# Allegro board RK3588S_Template_LP5D315P232SD10H2_42x42_2750MHz_1R2_V10_20220413YWQ.brd
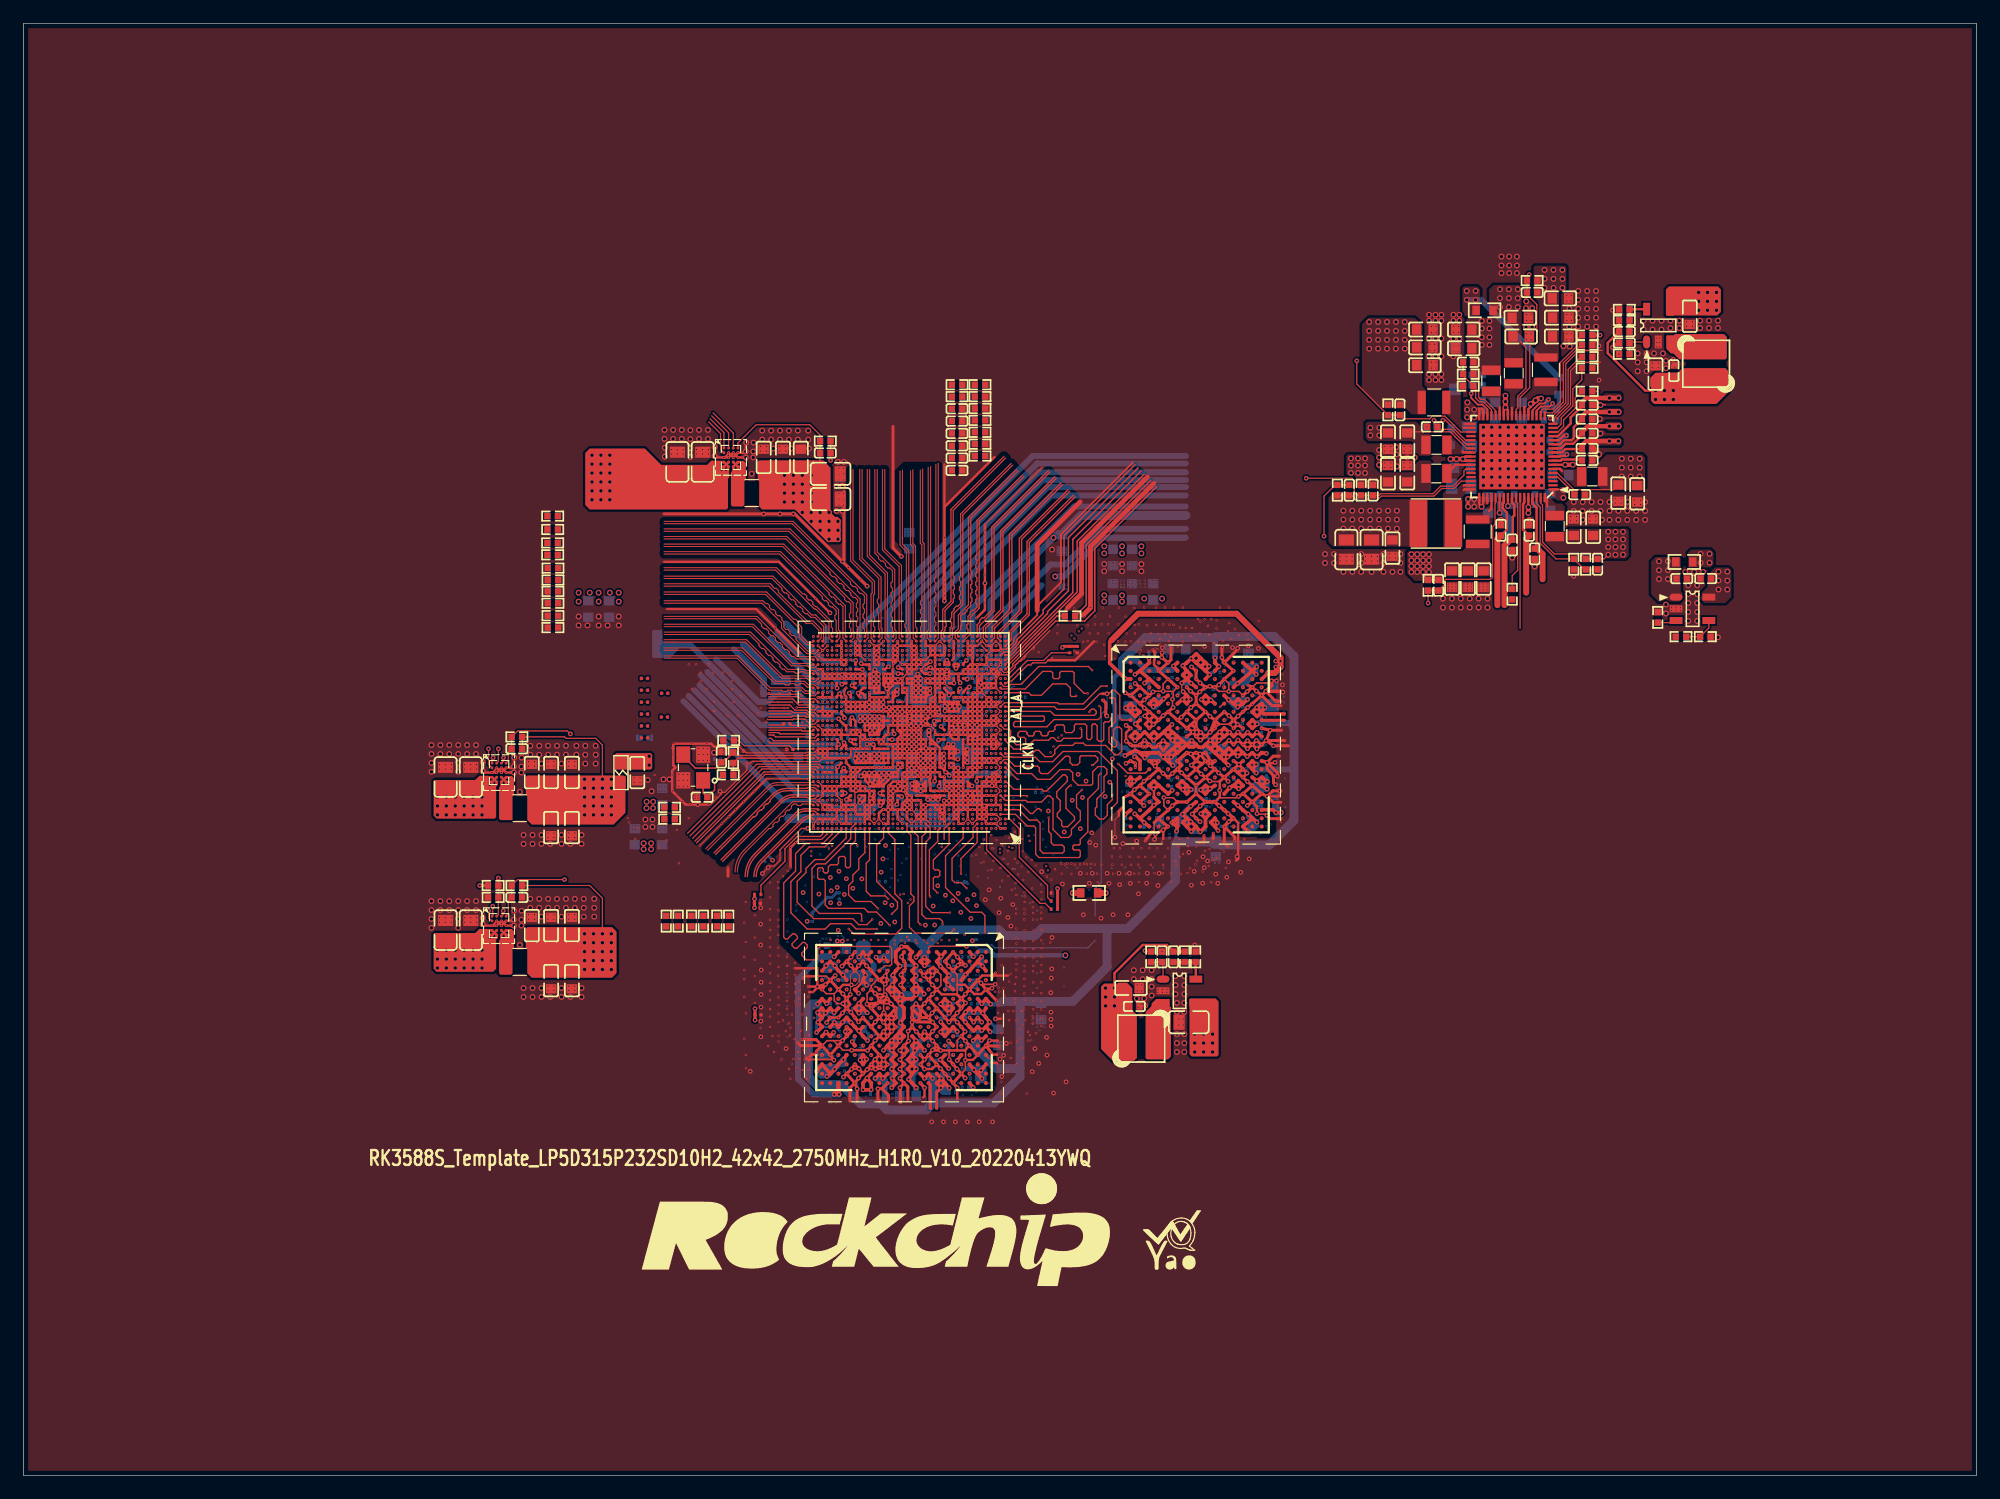
[diagram p0: board, top side]
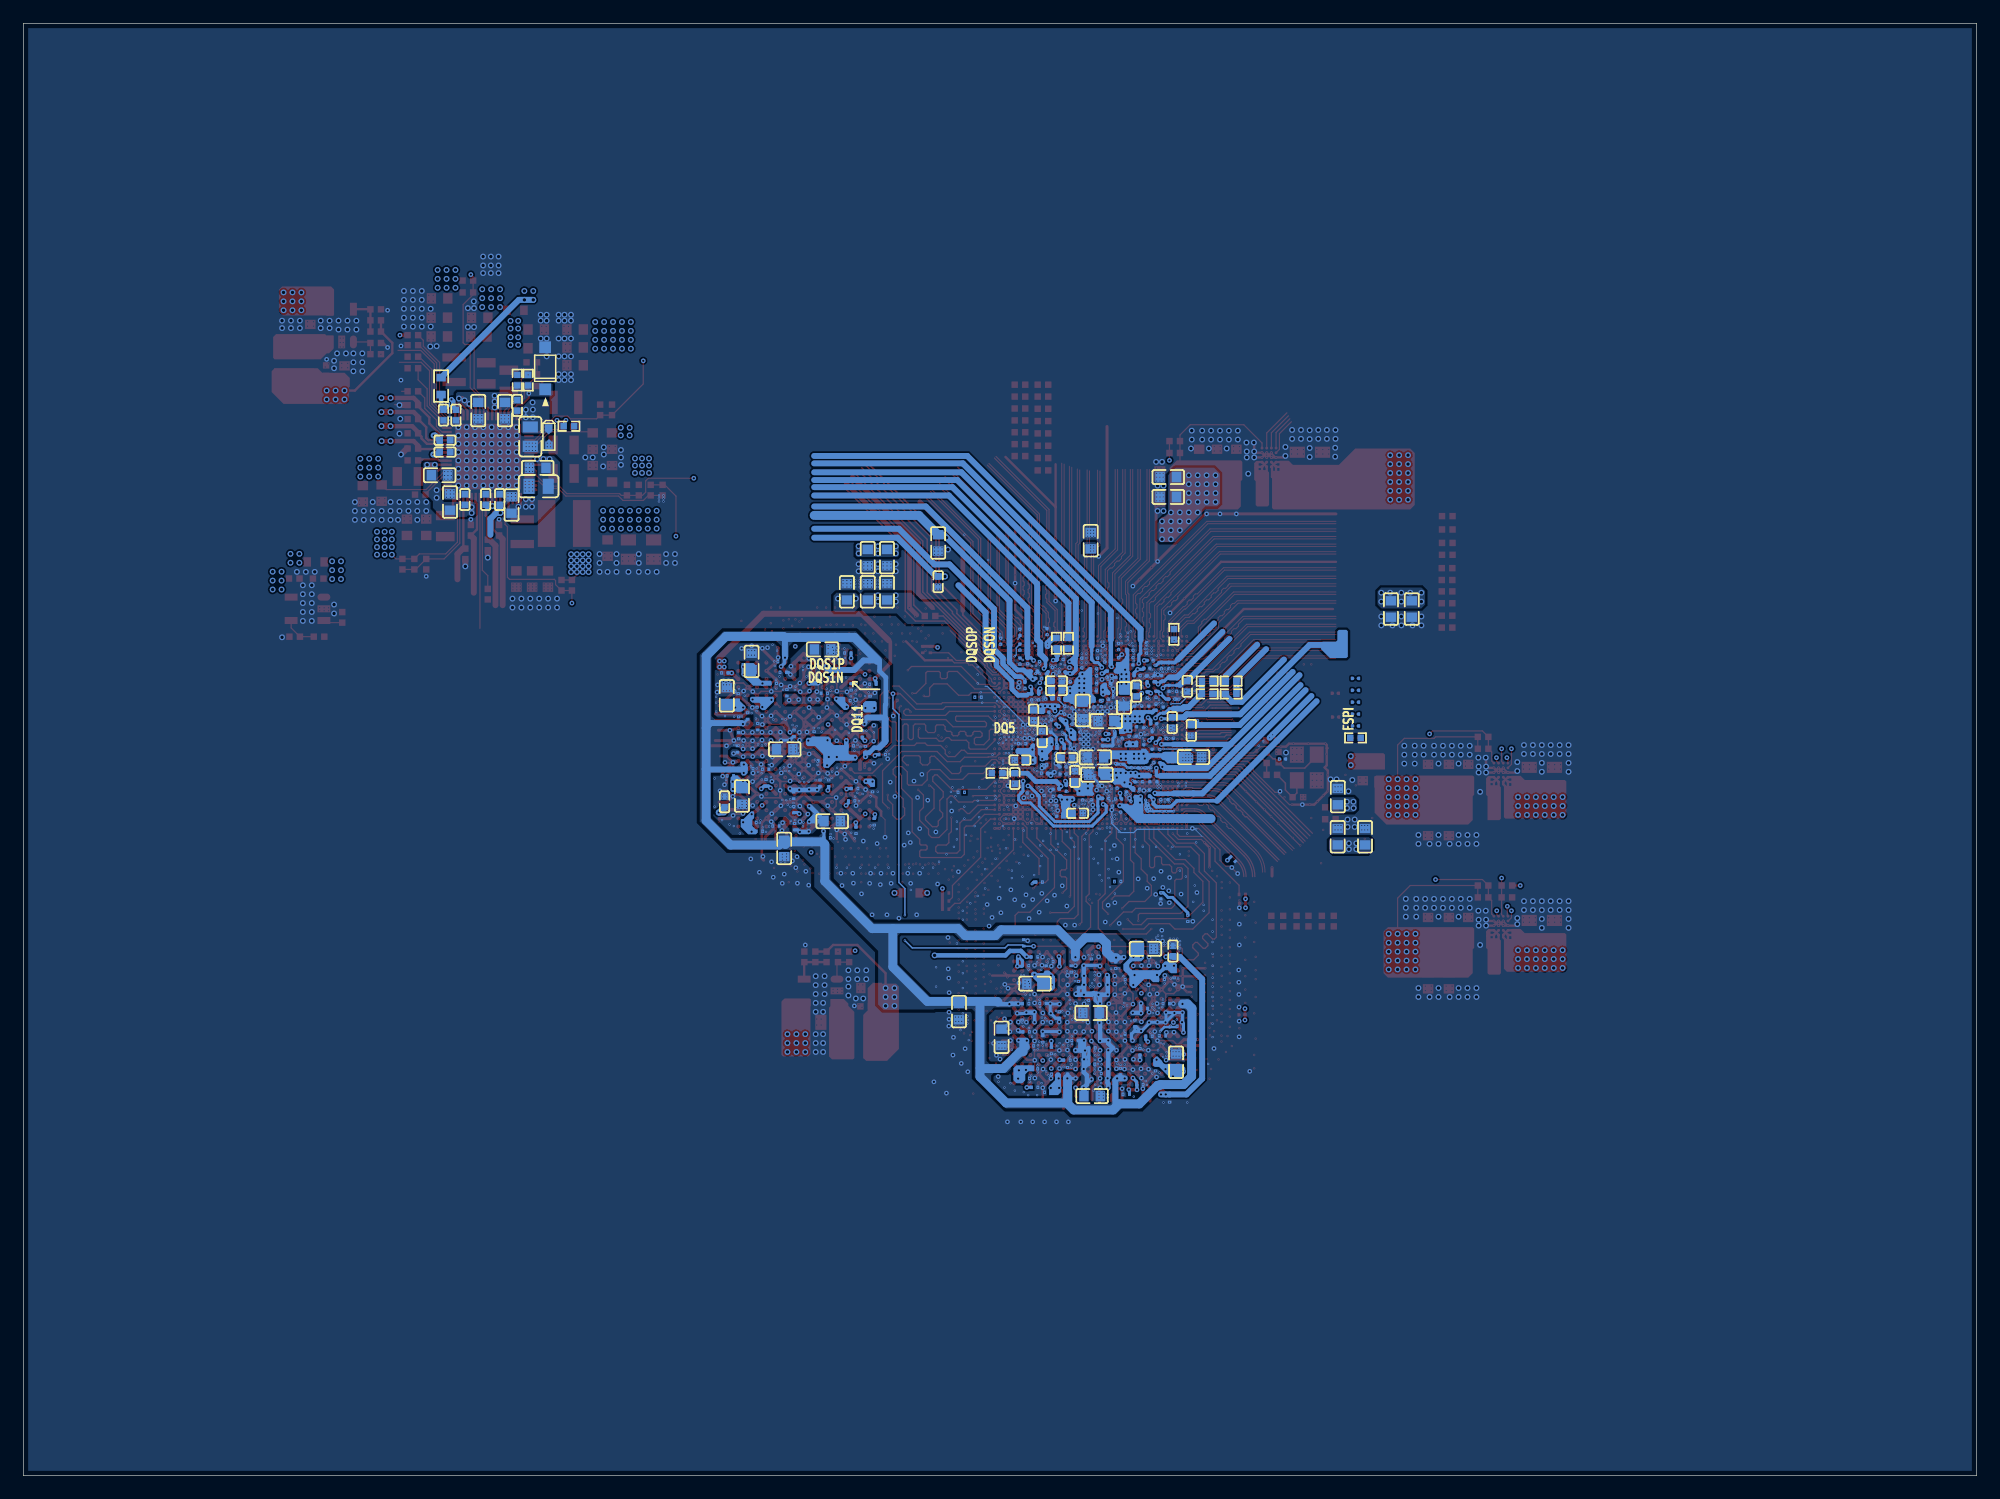
[diagram p1: board, bottom side, seen from below]

Outline 166.88 x 124.08 mm; copper layers: TOP, L2-GND1, L3-S1, L4-POWER1, L5-POWER2, L6-S2, L7-GND2, L8-S3, L9-GND3, BOTTOM. Coordinates in mm from the lower left corner of the outline.
Outline path: 0,124.08 0,0 166.88,0 166.88,124.08 0,124.08

## Design rules (mm)
net group DDR0_CLK: nets DDR_CH0_CLKN_A DDR_CH0_CLKP_A
net group DDR0_DQS0: nets DDR_CH0_DQS0N_A DDR_CH0_DQS0P_A
net group DDR0_DQS1: nets DDR_CH0_DQS0N_B DDR_CH0_DQS0P_B
net group DDR1_CLK: nets DDR_CH0_CLKN_B DDR_CH0_CLKP_B
net group DDR1_DQS0: nets DDR_CH0_DQS1N_A DDR_CH0_DQS1P_A
net group DDR1_DQS1: nets DDR_CH0_DQS1N_B DDR_CH0_DQS1P_B
net group DDR_CH0_WCK0_A: nets DDR_CH0_WCK0N_A DDR_CH0_WCK0P_A
net group DDR_CH0_WCK0_B: nets DDR_CH0_WCK0N_B DDR_CH0_WCK0P_B
net group DDR_CH0_WCK1_A: nets DDR_CH0_WCK1N_A DDR_CH0_WCK1P_A
net group DDR_CH0_WCK1_B: nets DDR_CH0_WCK1N_B DDR_CH0_WCK1P_B
net group DDR_CH1_CLK_C: nets DDR_CH1_CLKN_C DDR_CH1_CLKP_C
net group DDR_CH1_CLK_D: nets DDR_CH1_CLKN_D DDR_CH1_CLKP_D
net group DDR_CH1_DQ0_C: nets DDR_CH1_DQS0N_C DDR_CH1_DQS0P_C
net group DDR_CH1_DQ0_D: nets DDR_CH1_DQS0N_D DDR_CH1_DQS0P_D
net group DDR_CH1_DQ1_C: nets DDR_CH1_DQS1N_C DDR_CH1_DQS1P_C
net group DDR_CH1_DQ1_D: nets DDR_CH1_DQS1N_D DDR_CH1_DQS1P_D
net group DDR_CH1_WCK0_C: nets DDR_CH1_WCK0N_C DDR_CH1_WCK0P_C
net group DDR_CH1_WCK0_D: nets DDR_CH1_WCK0N_D DDR_CH1_WCK0P_D
net group DDR_CH1_WCK1_C: nets DDR_CH1_WCK1N_C DDR_CH1_WCK1P_C
net group DDR_CH1_WCK1_D: nets DDR_CH1_WCK1N_D DDR_CH1_WCK1P_D
net group DP_RX0_D0: nets MIPI_CSI0_RX_D0N MIPI_CSI0_RX_D0P
net group DPHY0_RX_CLK: nets MIPI_CPHY0_RX_TRIO1_B MIPI_CPHY0_RX_TRIO1_C
net group DPHY0_RX_D0: nets MIPI_CPHY0_RX_TRIO0_A MIPI_CPHY0_RX_TRIO0_B
net group DPHY0_RX_D1: nets MIPI_CPHY0_RX_TRIO0_C MIPI_CPHY0_RX_TRIO1_A
net group DPHY0_RX_D2: nets MIPI_CPHY0_RX_TRIO2_A MIPI_CPHY0_RX_TRIO2_B
net group DPHY0_RX_D3: nets MIPI_CPHY0_RX_TRIO2_C MIPI_DPHY0_RX_D3P
net group DPHY0_TX_CLK: nets MIPI_CPHY0_TX_TRIO1_B MIPI_CPHY0_TX_TRIO1_C
net group DPHY0_TX_D0: nets MIPI_CPHY0_TX_TRIO0_A MIPI_CPHY0_TX_TRIO0_B
net group DPHY0_TX_D1: nets MIPI_CPHY0_TX_TRIO0_C MIPI_CPHY0_TX_TRIO1_A
net group DPHY0_TX_D2: nets MIPI_CPHY0_TX_TRIO2_A MIPI_CPHY0_TX_TRIO2_B
net group DPHY0_TX_D3: nets MIPI_CPHY0_TX_TRIO2_C MIPI_DPHY0_TX_D3P
net group DPHY1_RX_CLK: nets MIPI_CPHY1_RX_TRIO1_B MIPI_CPHY1_RX_TRIO1_C
net group DPHY1_RX_D0: nets MIPI_CPHY1_RX_TRIO0_A MIPI_CPHY1_RX_TRIO0_B
net group DPHY1_RX_D1: nets MIPI_CPHY1_RX_TRIO0_C MIPI_CPHY1_RX_TRIO1_A
net group DPHY1_RX_D2: nets MIPI_CPHY1_RX_TRIO2_A MIPI_CPHY1_RX_TRIO2_B
net group DPHY1_RX_D3: nets MIPI_CPHY1_RX_TRIO2_C MIPI_DPHY1_RX_D3P
net group EDP0_D1: nets EDP_TX0_D1N EDP_TX0_D1P
net group EDP0_D2: nets EDP_TX0_D2N EDP_TX0_D2P
net group EDP0_D3: nets EDP_TX0_D3N EDP_TX0_D3P
net group EDP_TX0_AUX: nets EDP_TX0_AUXN EDP_TX0_AUXP
net group EDP_TX0_D0: nets EDP_TX0_D0N EDP_TX0_D0P
net group EMMC_CLKOUT: nets EMMC_CLKOUT N31111592
net group EMMC_D4: nets EMMC_D4 N31111434
net group EMMC_D5: nets EMMC_D5 N31111436
net group MIPI_CSI0_RX_CLK0: nets MIPI_CSI0_RX_CLK0N MIPI_CSI0_RX_CLK0P
net group MIPI_CSI0_RX_CLK1: nets MIPI_CSI0_RX_CLK1N MIPI_CSI0_RX_CLK1P
net group MIPI_CSI0_RX_D1: nets MIPI_CSI0_RX_D1N MIPI_CSI0_RX_D1P
net group MIPI_CSI0_RX_D2: nets MIPI_CSI0_RX_D2N MIPI_CSI0_RX_D2P
net group MIPI_CSI0_RX_D3: nets MIPI_CSI0_RX_D3N MIPI_CSI0_RX_D3P
net group MIPI_DPHY1_TX_CLK: nets MIPI_DPHY1_TX_CLKN MIPI_DPHY1_TX_CLKP
net group MIPI_DPHY1_TX_D0: nets MIPI_DPHY1_TX_D0N MIPI_DPHY1_TX_D0P
net group MIPI_DPHY1_TX_D1: nets MIPI_DPHY1_TX_D1N MIPI_DPHY1_TX_D1P
net group MIPI_DPHY1_TX_D2: nets MIPI_DPHY1_TX_D2N MIPI_DPHY1_TX_D2P
net group MIPI_DPHY1_TX_D3: nets MIPI_DPHY1_TX_D3N MIPI_DPHY1_TX_D3P
net group PCIE20_1_REFCLK: nets PCIE20_0_REFCLKN PCIE20_0_REFCLKP
net group PCIE20_1_RX: nets PCIE20_0_RXN PCIE20_0_RXP
net group PCIE20_1_TX: nets PCIE20_0_TXN PCIE20_0_TXP
net group PCIE20_2_REFCLK: nets PCIE20_2_REFCLKN PCIE20_2_REFCLKP
net group PCIE20_2_RX: nets USB30_2_SSRXN USB30_2_SSRXP
net group PCIE20_2_TX: nets USB30_2_SSTXN USB30_2_SSTXP
net group PMIC_RESET_L: nets PMIC_RESET_L TSADC_SHUT
net group PMIC_SW8: nets PMIC_SW8 VCC_3V3_S3
net group TYPEC0_OTG_D: nets TYPEC0_OTG_DM TYPEC0_OTG_DP
net group TYPEC0_SSRX1: nets TYPEC0_SSRX1N TYPEC0_SSRX1P
net group TYPEC0_SSRX2: nets TYPEC0_SSRX2N TYPEC0_SSRX2P
net group TYPEC0_SSTX1: nets TYPEC0_SSTX1N TYPEC0_SSTX1P
net group TYPEC0_SSTX2: nets TYPEC0_SSTX2N TYPEC0_SSTX2P
net group USB20_HOST0_D: nets USB20_HOST0_DM USB20_HOST0_DP
net group USB20_HOST1_D: nets USB20_HOST1_DM USB20_HOST1_DP
net group DDR: nets DDR_CH0_LP4/4X_CS0_A DDR_CH0_LP4/4X_CS0_B DDR_CH0_LP4/4X_CS1_A DDR_CH0_LP4/4X_CS1_B
net group EMMC_CMD: nets EMMC_CMD EMMC_CMD/FSPI_CLK FSPI_CLK
net group EMMC_D0: nets EMMC_D0 EMMC_D0/FSPI_D0 FSPI_D0
net group EMMC_D1: nets EMMC_D1 EMMC_D1/FSPI_D1 FSPI_D1
net group EMMC_D2: nets EMMC_D2 EMMC_D2/FSPI_D2 FSPI_D2
net group EMMC_D3: nets EMMC_D3 EMMC_D3/FSPI_D3 FSPI_D3
net group EMMC_D6: nets EMMC_D6 EMMC_D6/FSPI_CS0 FSPI_CS0
nets with their own width: min track width 0.064; nets GND

## Placement (name value [footprint] x y rotation side)
C1000  1uF  [C0201]  75.45 68.94 180 bottom
C1001  100nF  [C0201]  75.47 67.05 180 bottom
C1002  1uF  [C0201]  70.64 59.54 270 bottom
C1003  100nF  [C0201]  71.88 59.54 270 bottom
C1004  1uF  [C0201]  78.16 66.37 0 bottom
C1005  100nF  [C0201]  77.29 65.84 270 bottom
C1006  22uF  [C0603]  76.38 65.38 270 bottom
C1007  100nF  [C0201]  75.41 65.94 270 bottom
C1008  22uF  [C0603]  75.16 59.89 0 bottom
C1009  100nF  [C0201]  71.27 59.54 270 bottom
C1010  1uF  [C0201]  71.77 58.65 180 bottom
C1011  100nF  [C0201]  72.62 58.67 270 bottom
C1012  22uF  [C0603]  75.29 61.37 0 bottom
C1013  1uF  [C0201]  70.99 60.72 270 bottom
C1014  100nF  [C0201]  72.22 60.75 270 bottom
C1015  100nF  [C0201]  71.61 60.72 270 bottom
C1017  10uF  [C0402]  71.78 67.03 90 bottom
C1019  10uF  [C0402]  80.57 64.98 270 bottom
C1020  1uF  [C0201]  74.78 65.96 270 bottom
C1021  1uF  [C0201]  73.3 57.81 0 bottom
C1022  100nF  [C0201]  79.53 65.23 180 bottom
C1023  100nF  [C0201]  70.43 63.3 90 bottom
C1024  100nF  [C0201]  78.16 65.74 180 bottom
C1025  1uF  [C0201]  71.78 62.92 90 bottom
C1026  100nF  [C0201]  59.3 61.23 180 bottom
C1027  22uF  [C0603]  74.37 64.47 0 bottom
C1028  1uF  [C0201]  71.93 65.49 90 bottom
C1029  100nF  [C0201]  71.17 64.16 270 bottom
C1030  10uF  [C0402]  77.72 61.34 180 bottom
C1031  1uF  [C0201]  79.63 60.02 0 bottom
C1032  1uF  [C0201]  78.05 59.94 180 bottom
C1033  100nF  [C0201]  78.05 60.55 180 bottom
C1034  100nF  [C0201]  72.03 63.98 180 bottom
C1035  1uF  [C0201]  73 63.27 270 bottom
C1036  1uF  [C0201]  76.86 62.92 180 bottom
C1037  100nF  [C0201]  76.86 63.53 180 bottom
C1038  22uF  [C0603]  72.85 66.45 270 bottom
C1039  1uF  [C0201]  72.34 69.27 180 bottom
C1040  100nF  [C0201]  73.3 69.62 90 bottom
C1041  1uF  [C0201]  73.54 68.47 270 bottom
C1042  1uF  [C0201]  74.17 66.57 270 bottom
C1043  100nF  [C0201]  74.22 67.59 180 bottom
C1050  22uF  [C0603]  94.74 78.44 270 bottom
C1051  22uF  [C0603]  93.09 78.44 270 bottom
C1052  22uF  [C0603]  52.26 54.58 90 bottom
C1053  22uF  [C0603]  54.59 54.58 90 bottom
C1054  22uF  [C0603]  69.06 85.32 0 bottom
C1055  22uF  [C0603]  69.06 83.62 0 bottom
C1056  22uF  [C0603]  54.58 58.01 90 bottom
C1057  22uF  [C0603]  66.9 61.39 180 bottom
C1058  22uF  [C0603]  94.74 75.51 90 bottom
C1059  22uF  [C0603]  93.09 75.51 90 bottom
C1060  22uF  [C0603]  50.04 74.04 270 bottom
C1061  22uF  [C0603]  48.26 74.04 270 bottom
C1063  1uF  [C0201]  77.55 64.21 180 bottom
C1070  1uF  [C0201]  77.16 67.81 0 bottom
C1071  1uF  [C0201]  75.45 68.33 180 bottom
C1072  100nF  [C0201]  75.45 67.7 180 bottom
C1073  100nF  [C0201]  73.44 59 270 bottom
C1074  1uF  [C0201]  73.51 60.56 90 bottom
C1075  1uF  [C0201]  72.88 60.51 90 bottom
C1076  100nF  [C0201]  72.4 62.92 90 bottom
C1077  100nF  [C0201]  70.44 61.8 90 bottom
C1078  1uF  [C0201]  71.15 62.18 90 bottom
C1079  1uF  [C0201]  69.78 61.78 90 bottom
C1080  100nF  [C0201]  78.11 64.87 135 bottom
C1081  100nF  [C0201]  70.11 65.64 90 bottom
C1082  100nF  [C0201]  71.33 65.49 90 bottom
C1083  1uF  [C0201]  70.72 65.49 90 bottom
C1084  100nF  [C0201]  72.34 70.52 180 bottom
C1085  100nF  [C0201]  72.34 69.88 180 bottom
C1087  22uF  [C0603]  75.69 79.88 90 bottom
C1090  22uF  [C0603]  96.52 75.51 90 bottom
C1100  100nF  [C0201]  70.03 59.54 270 bottom
C1101  100nF  [C0201]  70.03 60.91 0 bottom
C1103  100nF  [C0201]  74.68 62.62 270 bottom
C1104  100nF  [C0201]  73.88 63.37 180 bottom
C1105  100nF  [C0201]  70.11 66.76 270 bottom
C1106  100nF  [C0201]  68.63 62.73 90 bottom
C1107  100nF  [C0201]  69.49 62.99 180 bottom
C1110  100nF  [C0201]  65.48 62.05 180 top
C1111  18pF  [C0402]  57.99 57.96 180 top
C1112  18pF  [C0402]  59.64 61.39 90 top
C1113  1uF  [C0402]  67.44 67.44 270 bottom
C1114  1uF  [C0402]  67.1 63.68 270 bottom
C1125  1uF  [C0201]  68.76 66.34 180 bottom
C1200  10uF  [C0402]  81.74 61.14 0 bottom
C1202  100nF  [C0201]  81.23 62.28 90 bottom
C1203  100nF  [C0201]  81.86 62.28 90 bottom
C1204  100nF  [C0201]  80.59 62.66 90 bottom
C1205  10uF  [C0402]  76.81 56.59 180 bottom
C1206  100nF  [C0201]  78.33 56.34 0 bottom
C1207  100nF  [C0201]  78.33 57.23 0 bottom
C1208  100nF  [C0201]  78.64 58.04 0 bottom
C1209  1uF  [C0201]  77.7 62.13 180 bottom
C1210  1uF  [C0201]  77.77 58.72 270 bottom
C1211  1uF  [C0201]  81.38 58.32 180 bottom
C1212  1uF  [C0201]  74.09 57.2 180 bottom
C1213  1uF  [C0201]  74.42 57.86 180 bottom
C1214  1uF  [C0201]  78.64 58.65 0 bottom
C1215  1uF  [C0201]  78.85 64.39 45 bottom
C1216  1uF  [C0201]  79.93 58.12 180 bottom
C1217  10uF  [C0402]  77.04 59.74 90 bottom
C1218  100nF  [C0201]  79.45 61.01 270 bottom
C1219  1uF  [C0201]  76.38 57.99 270 bottom
C1220  100nF  [C0201]  75.31 58.93 180 bottom
C1221  1uF  [C0201]  79.12 63.25 90 bottom
C1222  100nF  [C0201]  75.62 57.99 270 bottom
C1223  10uF  [C0402]  79.83 63.14 90 bottom
C1224  100nF  [C0201]  78.82 62.13 180 bottom
C1250  100nF  [C0201#2]  98.08 59.16 90 bottom
C1251  100nF  [C0201#2]  105.76 65.1 270 bottom
C1252  100nF  [C0201#2]  106.48 59.79 0 bottom
C1253  100nF  [C0201#2]  63.54 52.67 225 bottom
C1254  100nF  [C0201#2]  101.04 63.43 90 bottom
C1256  100nF  [C0201#2]  101.65 66.88 90 bottom
C1259  100nF  [C0201#2]  96.23 62.35 180 bottom
C1260  100nF  [C0201#2]  98.45 66.84 180 bottom
C1261  100nF  [C0201#2]  104.14 63.99 90 bottom
C1263  100nF  [C0201#2]  79.05 36.31 270 bottom
C1264  100nF  [C0201#2]  70.71 37.55 180 bottom
C1265  100nF  [C0201#2]  72.66 32.59 0 bottom
C1266  100nF  [C0201#2]  75.62 35.15 180 bottom
C1267  100nF  [C0201#2]  81.55 39.2 270 bottom
C1268  100nF  [C0201#2]  75.58 36.54 180 bottom
C1270  100nF  [C0201#2]  72.48 37.72 0 bottom
C1272  100nF  [C0201#2]  78.38 39.35 90 bottom
C1273  100nF  [C0201#2]  79.76 40.34 0 bottom
C1274  100nF  [C0201#2]  71.11 39.91 180 bottom
C1280  100nF  [C0201#2]  90.04 70.58 270 top
C1281  100nF  [C0201#2]  88.08 49.78 180 top
C1282  100nF  [C0201#2]  67.39 47.61 270 bottom
C1283  100nF  [C0201#2]  73.39 50.76 180 bottom
C1284  100nF  [C0201#2]  80.09 50.71 180 bottom
C1285  100nF  [C0201#2]  86.75 58.38 0 bottom
C1286  100nF  [C0201#2]  85.31 66.51 180 bottom
C1290  10uF  [C0805]  99.57 38.73 180 top
C1291  10nF  [C0402]  97.28 44.32 90 top
C1292  100pF  [C0402]  98.26 44.32 270 top
C1293  10uF  [C0603]  94.63 41.66 0 top
C1294  100nF  [C0402]  94.91 40.09 0 top
C1298  1nF  [C0201#2]  92.24 66.53 270 top
C1299  1nF  [C0201#2]  81.41 45.52 90 bottom
C1300  1uF  [C0402]  68.73 64.34 270 bottom
C1301  100nF  [C0201]  80.74 66.54 270 bottom
C1302  100nF  [C0201]  80.13 66.54 270 bottom
C1400  100nF  [C0201]  76.71 69.85 180 bottom
C1401  100nF  [C0201]  76.71 69.01 180 bottom
C1402  1uF  [C0201]  78.13 68.66 0 bottom
C1403  100nF  [C0201]  75.36 69.85 180 bottom
C1404  1uF  [C0201]  75.36 70.49 180 bottom
C1405  100nF  [C0201]  81.08 69.62 270 bottom
C1406  100nF  [C0201]  78.3 69.74 180 bottom
C1407  100nF  [C0201]  79.81 69.55 0 bottom
C1500  1nF  [C0402]  79.77 90.1 0 top
C1501  1nF  [C0402]  79.77 89.05 0 top
C1502  1nF  [C0402]  79.77 85.89 0 top
C1503  1nF  [C0402]  79.77 86.94 0 top
C1504  1nF  [C0402]  79.77 87.99 0 top
C1505  1nF  [C0402]  79.77 91.16 0 top
C1506  100nF  [C0201]  74.27 68.48 270 bottom
C1507  100nF  [C0201]  81.31 67.51 270 bottom
C1508  100nF  [C0201]  72.07 57.8 315 bottom
C1600  1uF  [C0201]  70.26 68.09 90 bottom
C1601  100nF  [C0201]  69.65 68.09 90 bottom
C1602  100nF  [C0201]  68.99 67.26 270 bottom
C1603  1uF  [C0201]  68.35 67.26 270 bottom
C1604  1uF  [C0201]  70.61 69.65 180 bottom
C1605  1uF  [C0201]  71.73 68.35 180 bottom
C1607  100nF  [C0201]  69.65 69.22 270 bottom
C1608  100nF  [C0201]  69.01 69.22 270 bottom
C1609  100nF  [C0201]  71.18 70.27 180 bottom
C1610  100nF  [C0201]  71.18 71.16 180 bottom
C1611  100nF  [C0201]  70.89 68.99 180 bottom
C1612  1uF  [C0201]  73.3 70.84 90 bottom
C1613  1uF  [C0201]  74.22 69.52 0 bottom
C1710  100nF  [C0201]  79.14 68.87 135 bottom
C1711  4.7uF  [C0402]  78.61 67.89 180 bottom
C1712  100nF  [C0201]  80.14 68.12 180 bottom
C1713  100nF  [C0201]  79.27 66.37 0 bottom
C1714  4.7uF  [C0402]  78.61 67.08 180 bottom
C1716  4.7uF  [C0402]  88.72 76.38 270 bottom
C1718  10uF  [C0603]  88.72 79.69 270 bottom
C1725  1uF  [C0201]  80.52 68.73 180 bottom
C1800  100nF  [C0201]  69.09 58.01 270 bottom
C1801  1uF  [C0201]  69.7 58.01 270 bottom
C1802  100nF  [C0201]  70.66 58.32 90 bottom
C1803  1uF  [C0201]  70.59 57.4 0 bottom
C1902  100nF  [C0201]  72.95 56.87 315 bottom
C1903  100nF  [C0201]  71.11 56.79 180 bottom
C1904  100nF  [C0201]  69.49 65.4 90 bottom
C1905  100nF  [C0201]  70.31 64.24 180 bottom
C1906  100nF  [C0201]  70.87 66.7 270 bottom
C1907  100nF  [C0201]  70.87 68.09 90 bottom
C2200  22uF  [C0603]  122.94 86.11 0 bottom
C2201  22uF  [C0805]  122.86 84.53 0 bottom
C2202  22uF  [C0603]  118.24 85.6 90 top
C2203  22uF  [C0603]  116.59 85.6 90 top
C2205  47uF  [C0805]  115.19 79.12 270 top
C2209  1uF  [C0402]  113.28 84.2 270 top
C2210  47uF  [C0805]  113.03 79.12 270 top
C2213  22uF  [C0805]  123.57 88.77 270 bottom
C2214  22uF  [C0603]  123.06 97.92 180 top
C2215  22uF  [C0603]  123.06 96.32 180 top
C2216  100pF  [C0402]  123.44 95.12 180 top
C2217  22uF  [C0603]  119.74 97.93 0 top
C2218  22uF  [C0603]  119.74 94.87 0 top
C2221  1uF  [C0402]  117.6 91.06 270 top
C2225  10uF  [C0603]  130.43 83.19 90 bottom
C2226  22uF  [C0603]  125.17 82.93 90 bottom
C2227  22uF  [C0603]  132.46 81.03 90 top
C2228  22uF  [C0603]  134.11 81.03 90 top
C2229  100pF  [C0402]  134.49 77.87 270 top
C2230  1uF  [C0402]  120.9 76.07 270 top
C2231  22uF  [C0603]  124.76 76.61 270 top
C2232  22uF  [C0603]  123.41 76.61 270 top
C2235  10uF  [C0603]  131.32 85.47 180 bottom
C2236  22uF  [C0603]  128.02 91 270 bottom
C2237  22uF  [C0603]  131.34 97.33 0 top
C2238  22uF  [C0603]  137.88 83.89 270 top
C2239  22uF  [C0603]  136.27 83.95 270 top
C2240  22uF  [C0603]  131.34 98.94 0 top
C2241  22uF  [C0603]  125.73 91 270 bottom
C2242  22uF  [C0603]  127.89 98.93 0 top
C2243  22uF  [C0603]  127.97 97.33 0 top
C2244  22uF  [C0603]  118.24 88.39 270 top
C2245  22uF  [C0603]  116.59 88.39 270 top
C2246  1uF  [C0402]  127.2 79.52 270 top
C2247  1uF  [C0402]  127.38 83.4 90 bottom
C2248  1uF  [C0402]  130.99 90.61 270 bottom
C2249  1uF  [C0402]  126.24 80.77 90 top
C2250  1uF  [C0402]  126.19 83.4 90 bottom
C2251  1uF  [C0402]  128.65 80.77 90 top
C2252  1uF  [C0402]  129.16 83.4 90 bottom
C2253  1uF  [C0402]  129.12 78.76 270 top
C2254  1uF  [C0402]  129.92 90.61 270 bottom
C2255  2.2uF  [C0402]  133.6 91.47 0 top
C2257  1uF  [C0402]  130.86 88.47 180 bottom
C2258  2.2uF  [C0402]  133.6 90.27 0 top
C2259  2.2uF  [C0402]  133.6 89.05 0 top
C2260  1nF  [C0402]  124.68 91.44 270 bottom
C2261  100nF  [C0402]  132.97 83.82 0 top
C2262  100nF  [C0402]  120.37 89.61 180 top
C2263  2.2uF  [C0402]  133.6 87.76 0 top
C2264  1uF  [C0402]  130.86 87.45 180 bottom
C2265  2.2uF  [C0402]  133.6 86.74 0 top
C2280  22uF  [C0603]  116.97 79.25 270 top
C2281  22uF  [C0603]  119.74 96.39 0 top
C2282  22uF  [C0603]  122.06 76.61 270 top
C2283  22uF  [C0603]  131.32 100.58 0 top
C2290  1uF  [C0402]  82.17 59.56 270 bottom
C2291  1uF  [C0402]  128.91 101.09 180 top
C2300  22uF  [C0805]  36.07 46.61 90 top
C2301  22uF  [C0805]  38.23 46.61 90 top
C2302  22uF  [C0805]  38.23 59.69 90 top
C2303  22uF  [C0805]  36.07 59.69 90 top
C2304  22uF  [C0603]  46.86 46.99 90 top
C2305  22uF  [C0603]  43.43 46.99 90 top
C2306  1uF  [C0402]  42.16 49.4 180 top
C2307  22uF  [C0603]  45.08 46.99 90 top
C2308  22uF  [C0603]  45.08 42.29 270 top
C2309  22uF  [C0603]  46.86 42.29 270 top
C2310  1uF  [C0402]  42.16 62.1 180 top
C2311  22uF  [C0603]  46.86 60.07 90 top
C2312  22uF  [C0603]  45.08 55.37 270 top
C2313  22uF  [C0603]  43.43 60.07 90 top
C2314  22uF  [C0603]  45.08 60.07 90 top
C2315  22uF  [C0603]  46.86 55.37 270 top
C2316  22uF  [C0603]  52.45 60.07 270 top
C2317  22uF  [C0805]  58.04 86.61 90 top
C2318  22uF  [C0805]  55.88 86.61 90 top
C2319  1uF  [C0402]  68.51 87.38 180 top
C2320  47uF  [C0805]  68.96 83.44 0 top
C2321  47uF  [C0805]  68.96 85.6 0 top
C2322  22uF  [C0603]  64.9 87 90 top
C2323  22uF  [C0603]  63.25 87 90 top
C2324  22uF  [C0603]  66.42 87 90 top
C2325  10uF  [C0603]  142.37 99.06 270 top
C2326  100pF  [C0402]  136.78 97.75 0 top
C2327  22uF  [C0603]  139.44 94.12 90 top
C2328  100nF  [C0402]  141.01 94.41 90 top
C2329  100nF  [C0402]  136.78 96.77 180 top
C2330  1uF  [C0402]  143.74 76.65 180 top
C2331  1uF  [C0402]  141.69 76.64 0 top
C3900  22uF  [C0603]  101.88 53.59 270 bottom
C3901  1uF  [C0201#2]  98.21 54.5 180 bottom
C3902  100nF  [C0201#2]  94.94 62.03 90 bottom
C3903  100nF  [C0201#2]  104.82 60.4 180 bottom
C3904  100nF  [C0201#2]  105 64.9 90 bottom
C3905  100nF  [C0201#2]  102.58 55.5 0 bottom
C3906  100nF  [C0201#2]  95.17 64.78 0 bottom
C3907  100nF  [C0201#2]  98.14 68.46 270 bottom
C3908  100nF  [C0201#2]  102.14 69.55 0 bottom
C3909  4.7uF  [C0402]  106.97 57.57 90 bottom
C3910  100nF  [C0201#2]  94.19 55.86 270 bottom
C3911  100nF  [C0201#2]  106.96 68.58 0 bottom
C3912  100nF  [C0201#2]  94.3 67.61 0 bottom
C3913  22uF  [C0603]  106.78 66.63 90 bottom
C3914  10uF  [C0603]  105.49 58.06 270 bottom
C3915  10uF  [C0603]  104.66 69.56 90 bottom
C3916  100nF  [C0201#2]  96.16 67.39 270 bottom
C3917  100nF  [C0201#2]  95.86 58.7 180 bottom
C3918  100nF  [C0201#2]  103.98 55.06 180 bottom
C3919  100nF  [C0201#2]  102.82 67.69 180 bottom
C3920  100nF  [C0201#2]  94.33 58.69 270 bottom
C3921  100nF  [C0201#2]  103.43 59.19 90 bottom
C3922  100nF  [C0201#2]  96.52 66.22 180 bottom
C3923  100nF  [C0201#2]  96.44 70.28 0 bottom
C3924  100nF  [C0201#2]  104.2 65.93 270 bottom
C3925  100nF  [C0201#2]  104.54 55.81 180 bottom
C3926  100nF  [C0201#2]  96.11 57.65 180 bottom
C3927  100nF  [C0201#2]  105.81 66.54 90 bottom
C3928  100nF  [C0201#2]  94.54 66.32 90 bottom
C3929  100nF  [C0201#2]  95.74 55.13 270 bottom
C3930  22uF  [C0603]  101.83 62.05 180 bottom
C3931  10uF  [C0603]  98.6 70.59 180 bottom
C3932  10uF  [C0603]  97.78 55.91 180 bottom
C3934  100nF  [C0201#2]  101.06 58.12 270 bottom
C3935  100nF  [C0201#2]  98.82 59.16 90 bottom
C3936  100nF  [C0201#2]  99.32 63.29 90 bottom
C3937  100nF  [C0201#2]  105.88 62.08 90 bottom
C3938  100nF  [C0201#2]  103.46 60.36 0 bottom
C3940  100nF  [C0201#2]  98.7 61.08 0 bottom
C3943  100nF  [C0201#2]  93.5 61.61 180 bottom
C3944  100nF  [C0201#2]  100.99 55.44 90 bottom
C3945  100nF  [C0201#2]  105.76 63.22 270 bottom
C3946  100nF  [C0201#2]  101.96 68.63 0 bottom
C3949  100nF  [C0201#2]  95.2 63.38 90 bottom
C3950  22uF  [C0603]  86.94 39.64 270 bottom
C3951  1uF  [C0201#2]  73.55 43.61 270 bottom
C3952  100nF  [C0201#2]  81.25 40.32 180 bottom
C3953  100nF  [C0201#2]  77.36 43.29 270 bottom
C3954  100nF  [C0201#2]  69.24 40.33 0 bottom
C3955  100nF  [C0201#2]  77.67 34.6 90 bottom
C3956  100nF  [C0201#2]  69.56 37.57 0 bottom
C3957  100nF  [C0201#2]  80.83 36.72 180 bottom
C3958  100nF  [C0201#2]  73.15 34.52 90 bottom
C3959  4.7uF  [C0402]  68.66 44.82 90 bottom
C3960  100nF  [C0201#2]  80.5 44.31 180 bottom
C3961  100nF  [C0201#2]  68.95 32.18 270 bottom
C3962  100nF  [C0201#2]  80.48 33.18 180 bottom
C3963  22uF  [C0603]  80.45 42.04 0 bottom
C3964  10uF  [C0603]  71.01 45.01 180 bottom
C3965  10uF  [C0603]  68.39 35.32 90 bottom
C3966  100nF  [C0201#2]  78.63 43.92 0 bottom
C3967  100nF  [C0201#2]  70.15 34.85 270 bottom
C3968  100nF  [C0201#2]  81.2 33.94 180 bottom